# Altium PCB cat.PcbDoc (part 1 of 3)
Units mm, origin at the board's own origin, x right, y up, seen from the top; angles counter-clockwise.
Board outline 65 x 116 mm, 4 copper layers (Top Layer, Layer 2, Layer 3, Bottom Layer), stack 1.518 mm thick; 277 components, 139 nets, 821 pads, 589 vias.
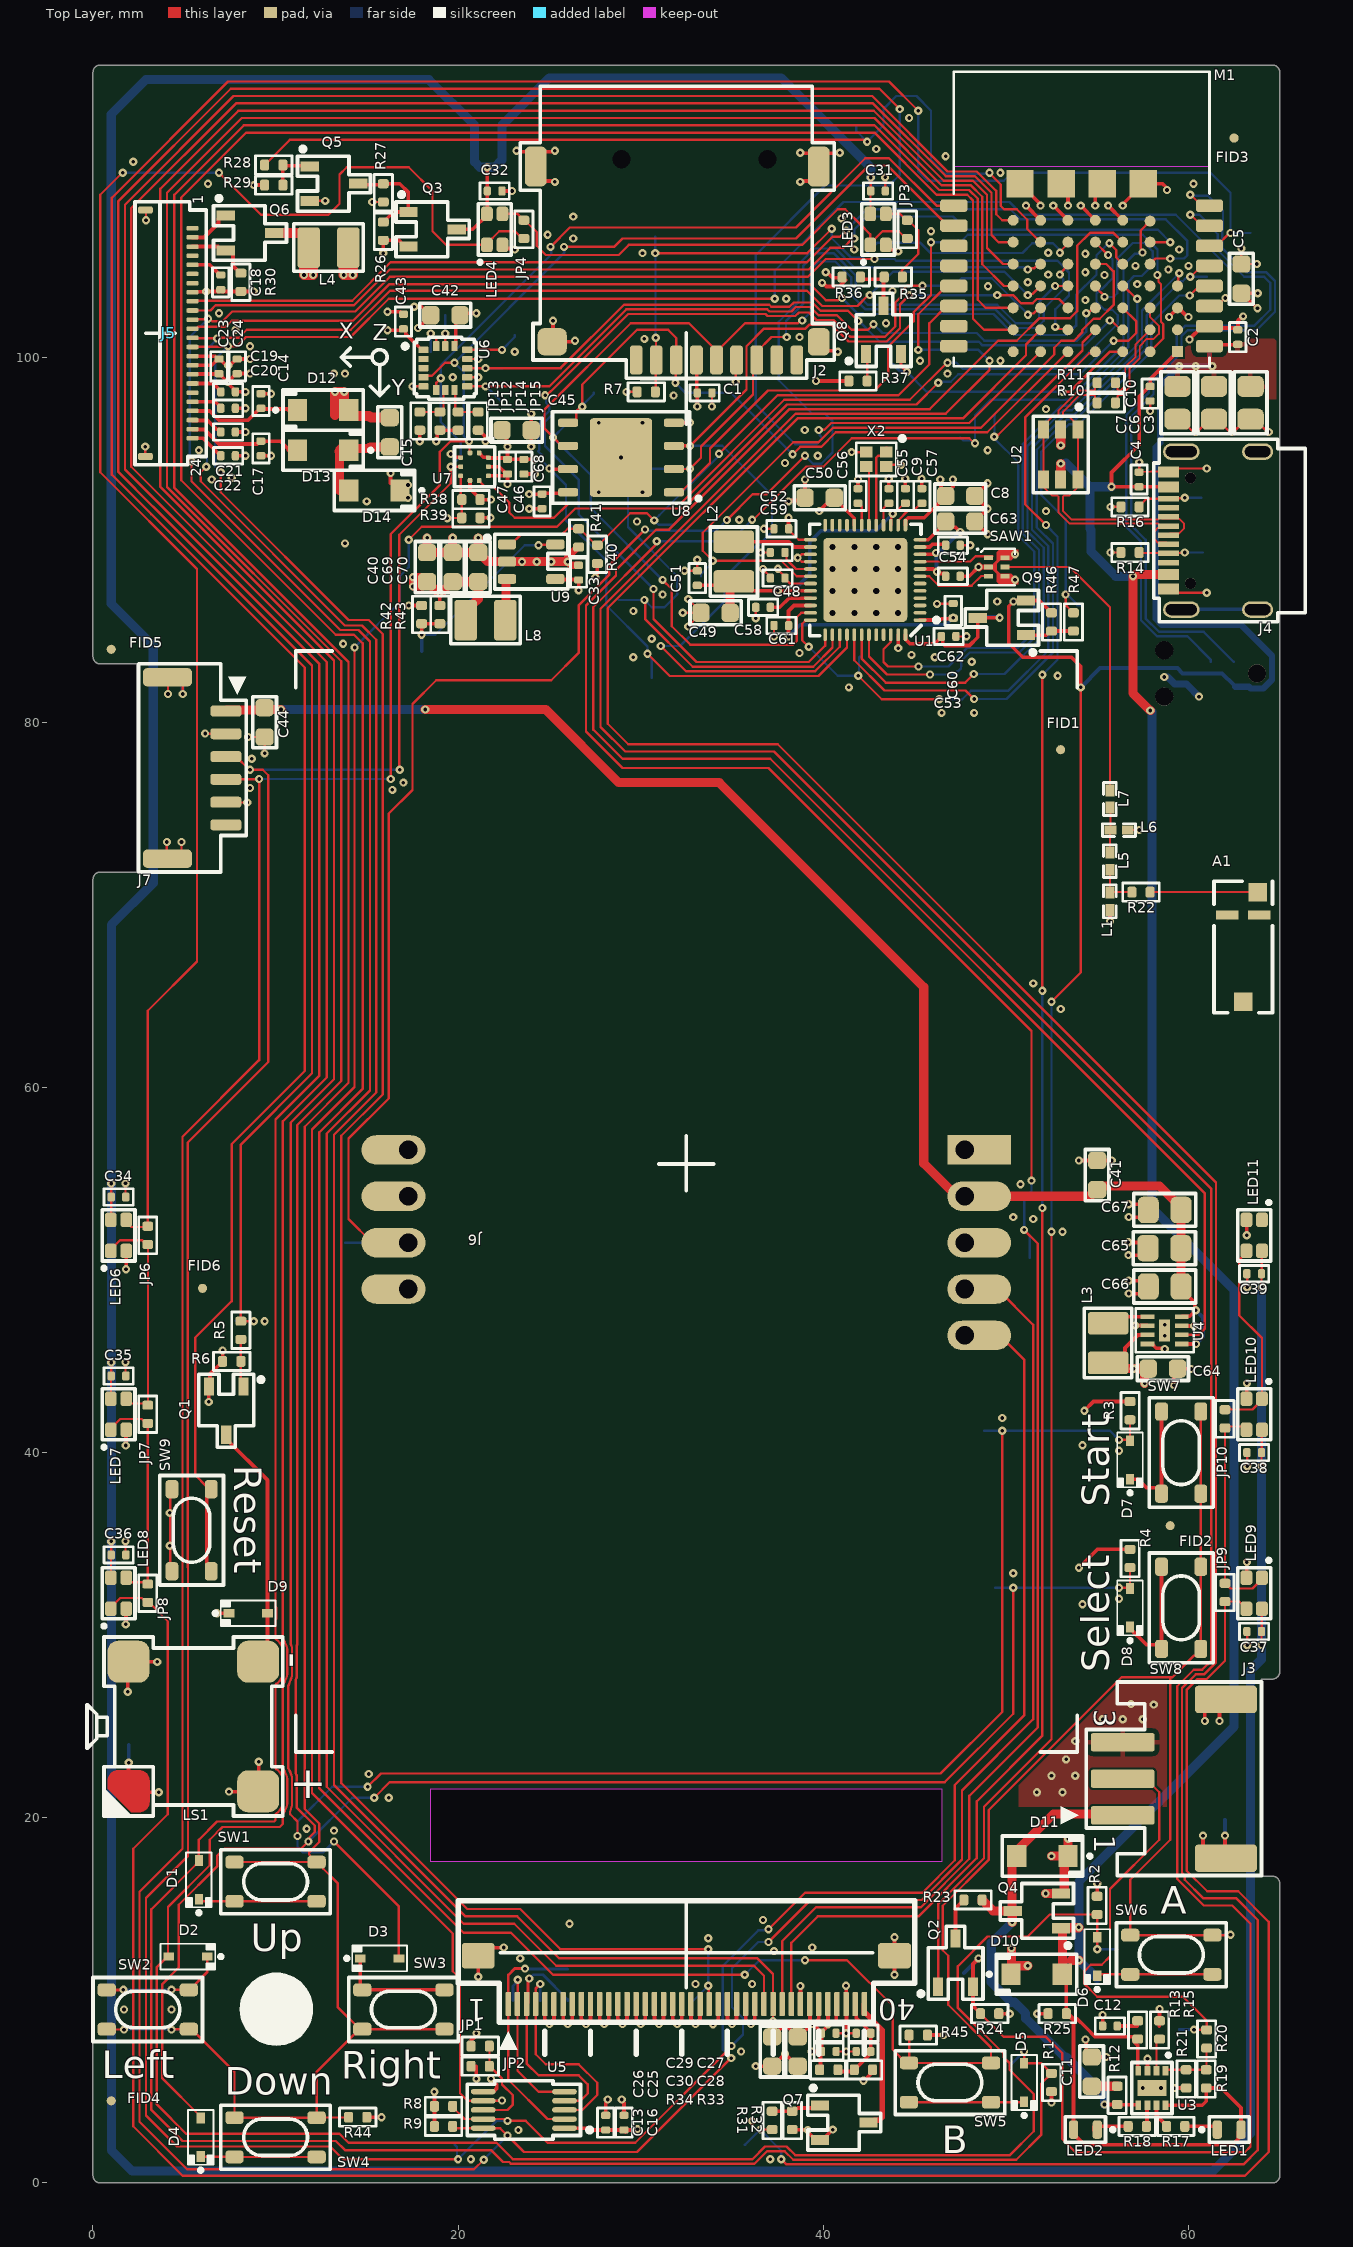
[diagram p0: Top Layer view]
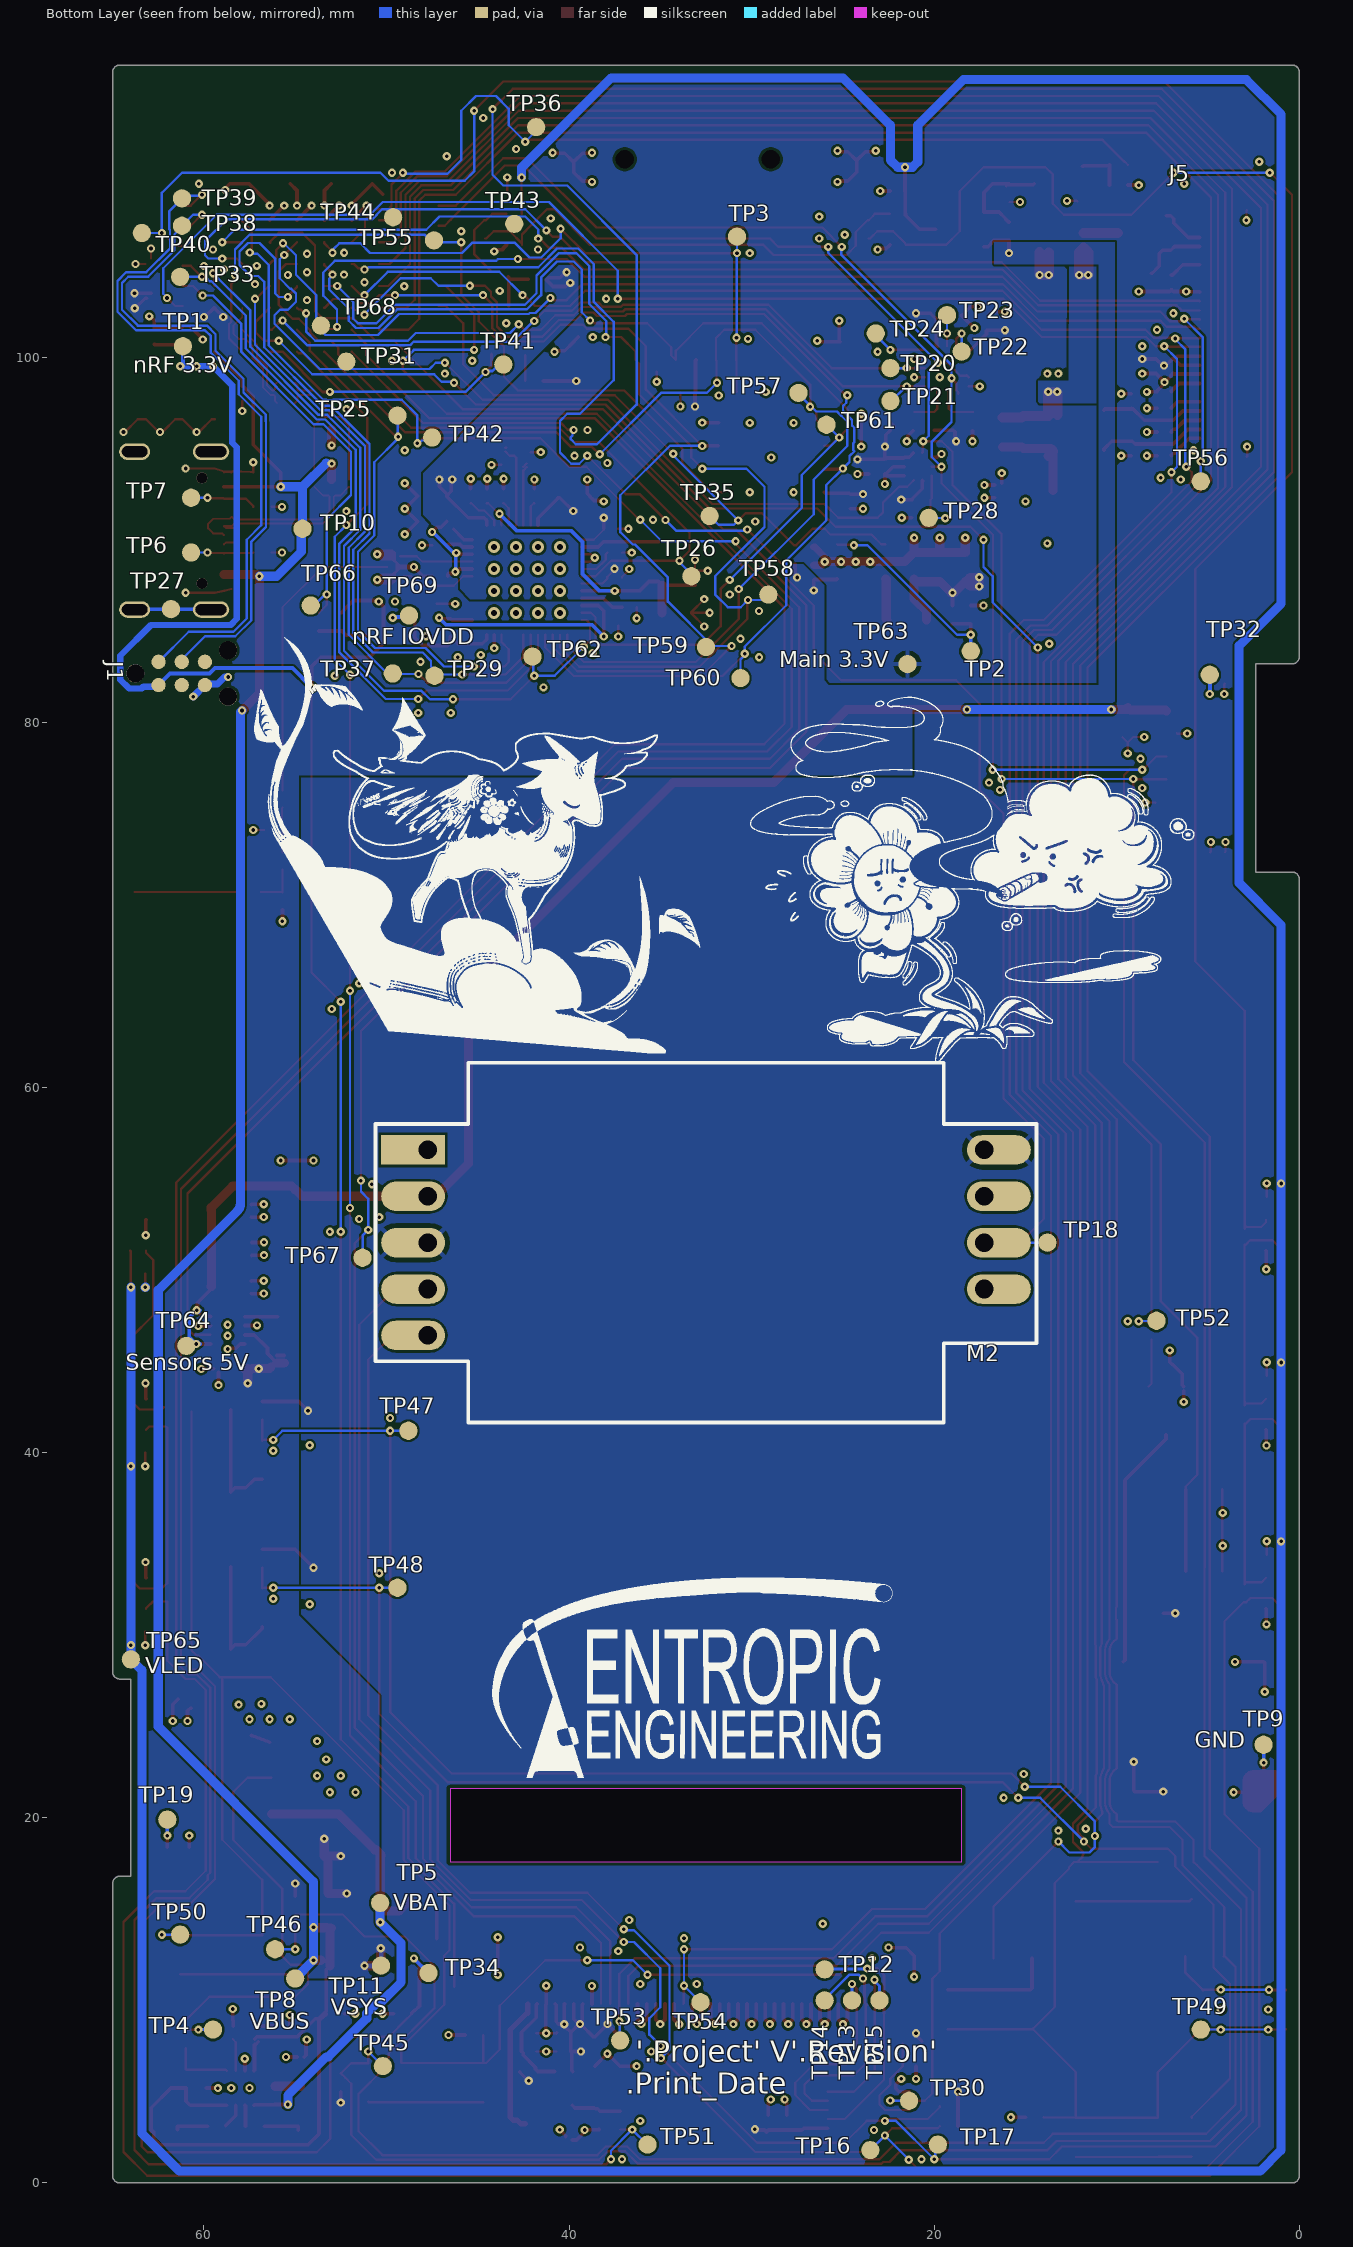
[diagram p1: Bottom Layer view, seen from below]
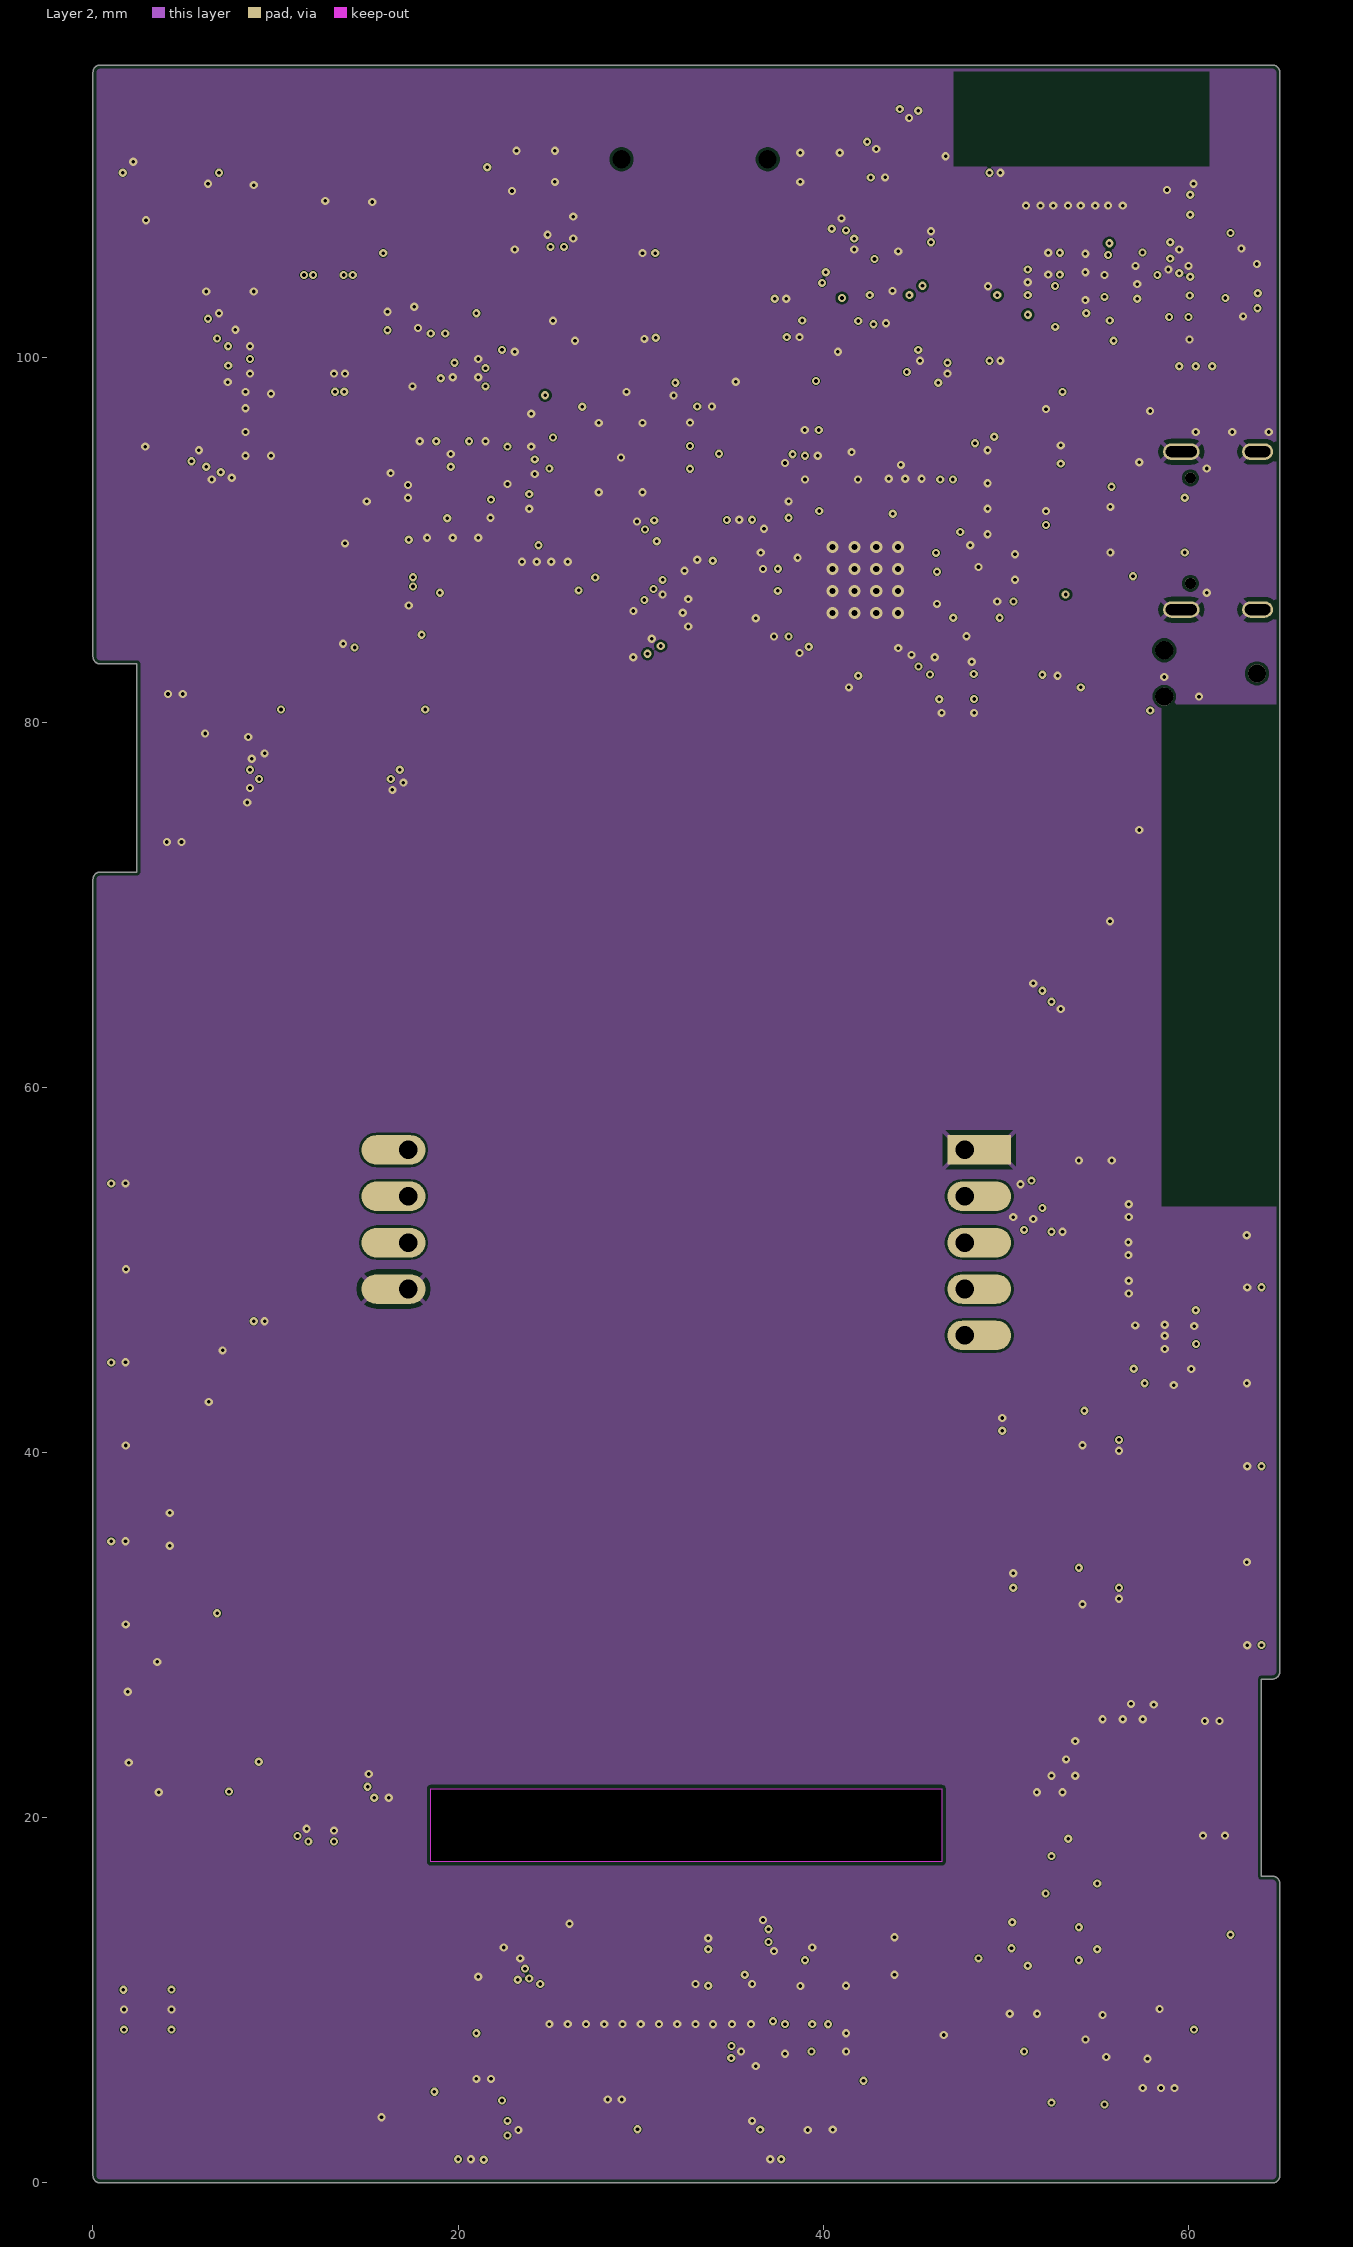
[diagram p2: Layer 2]
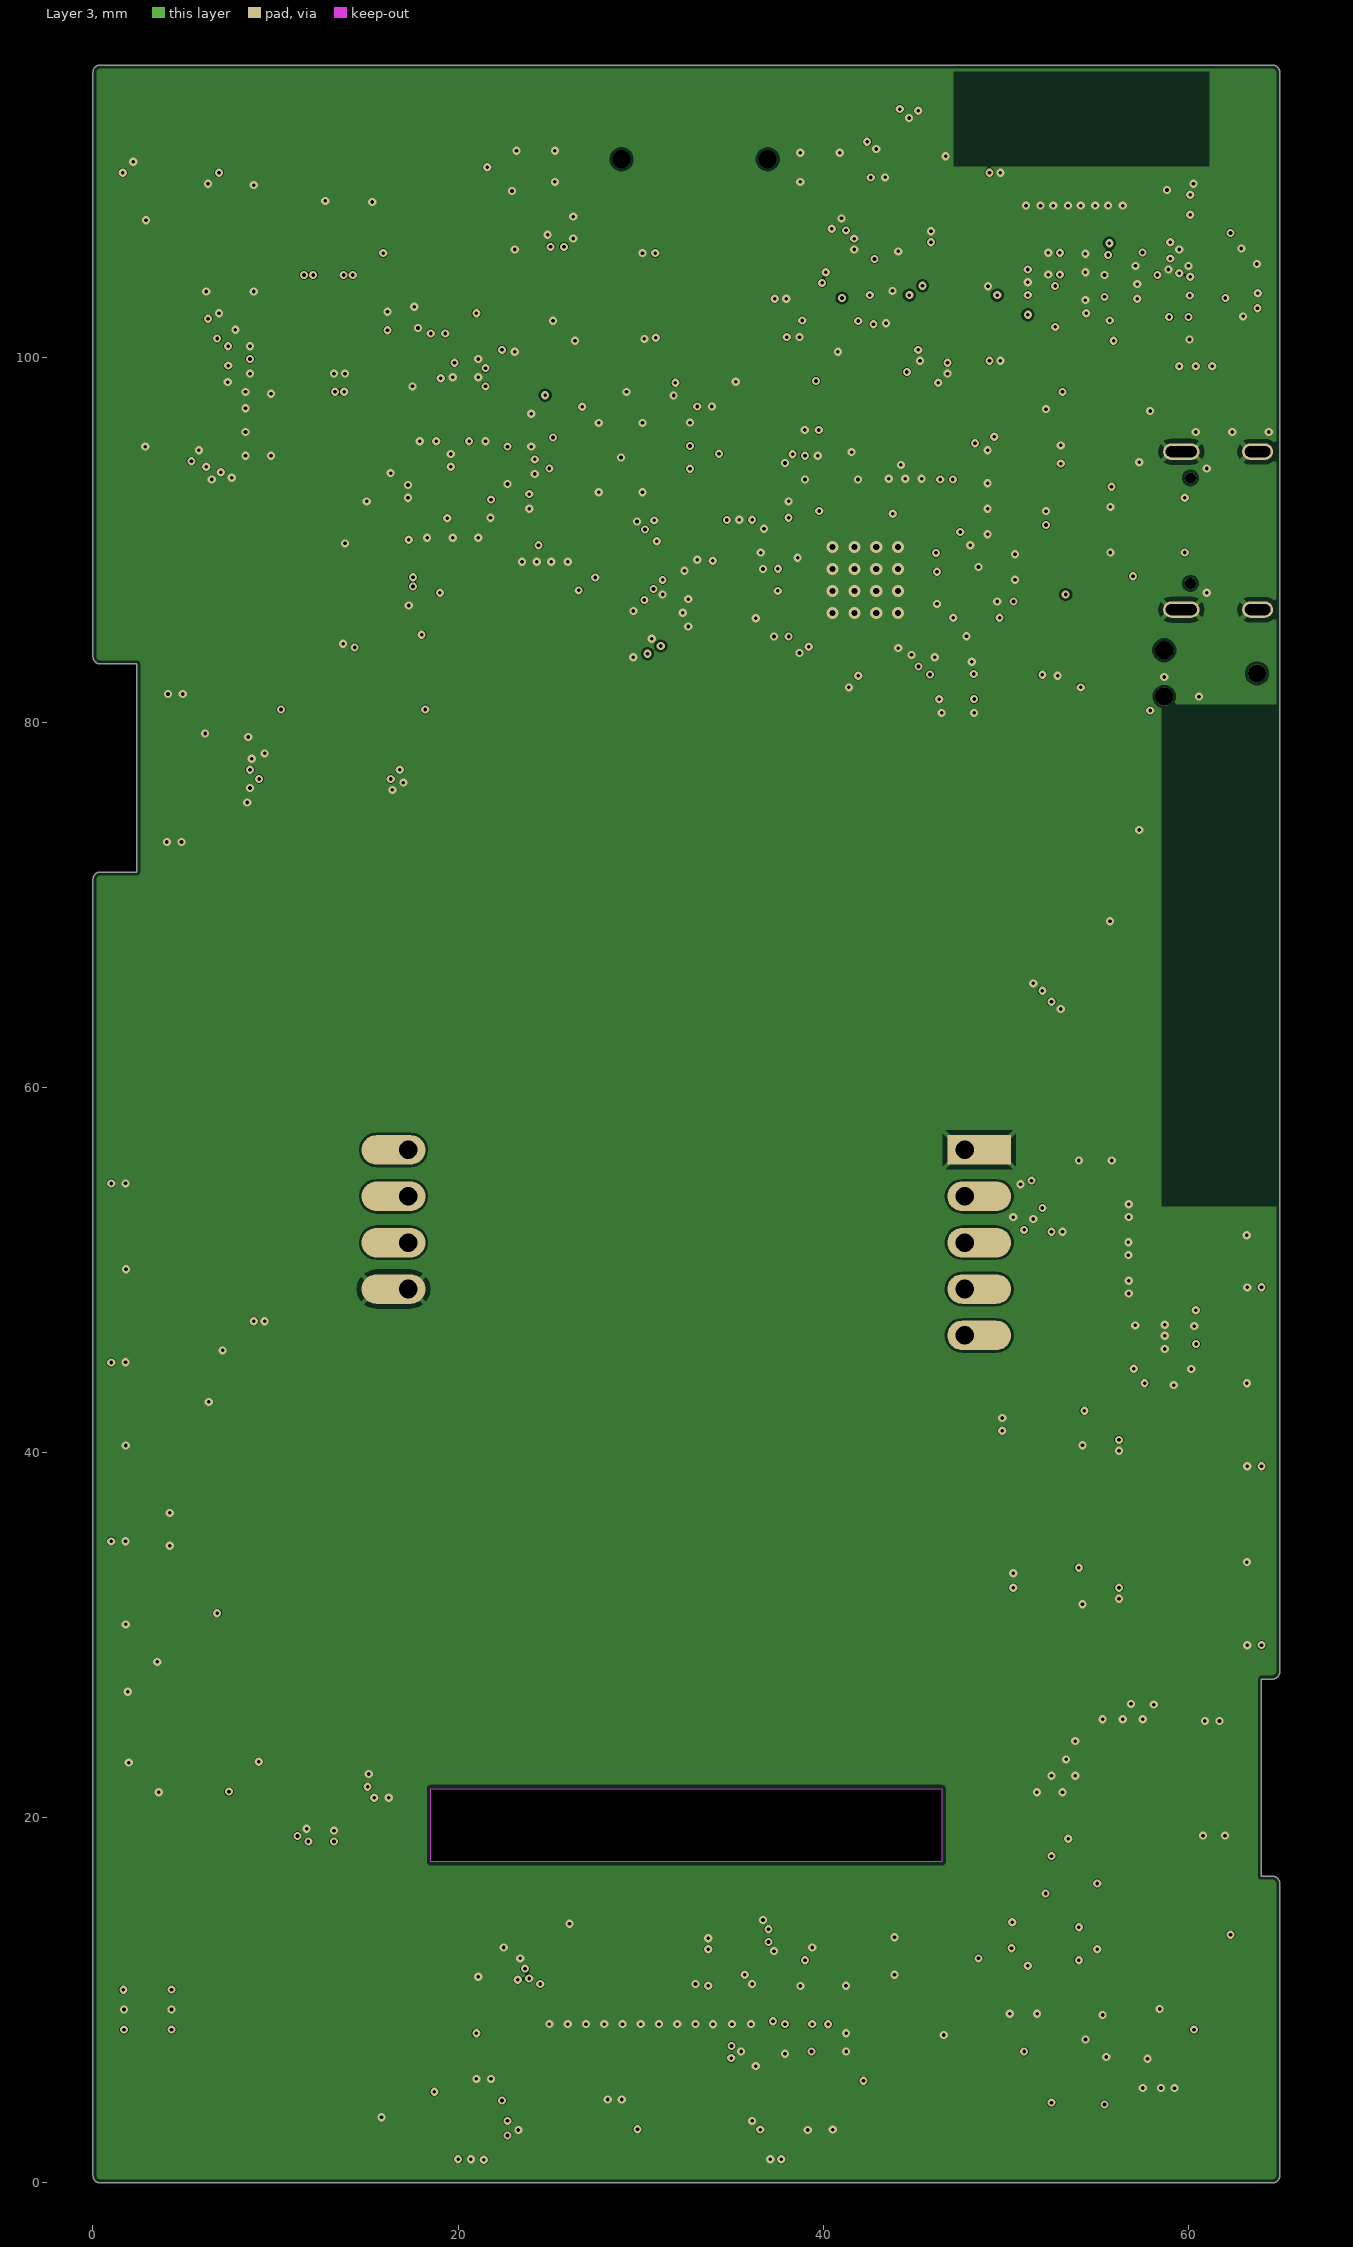
[diagram p3: Layer 3]
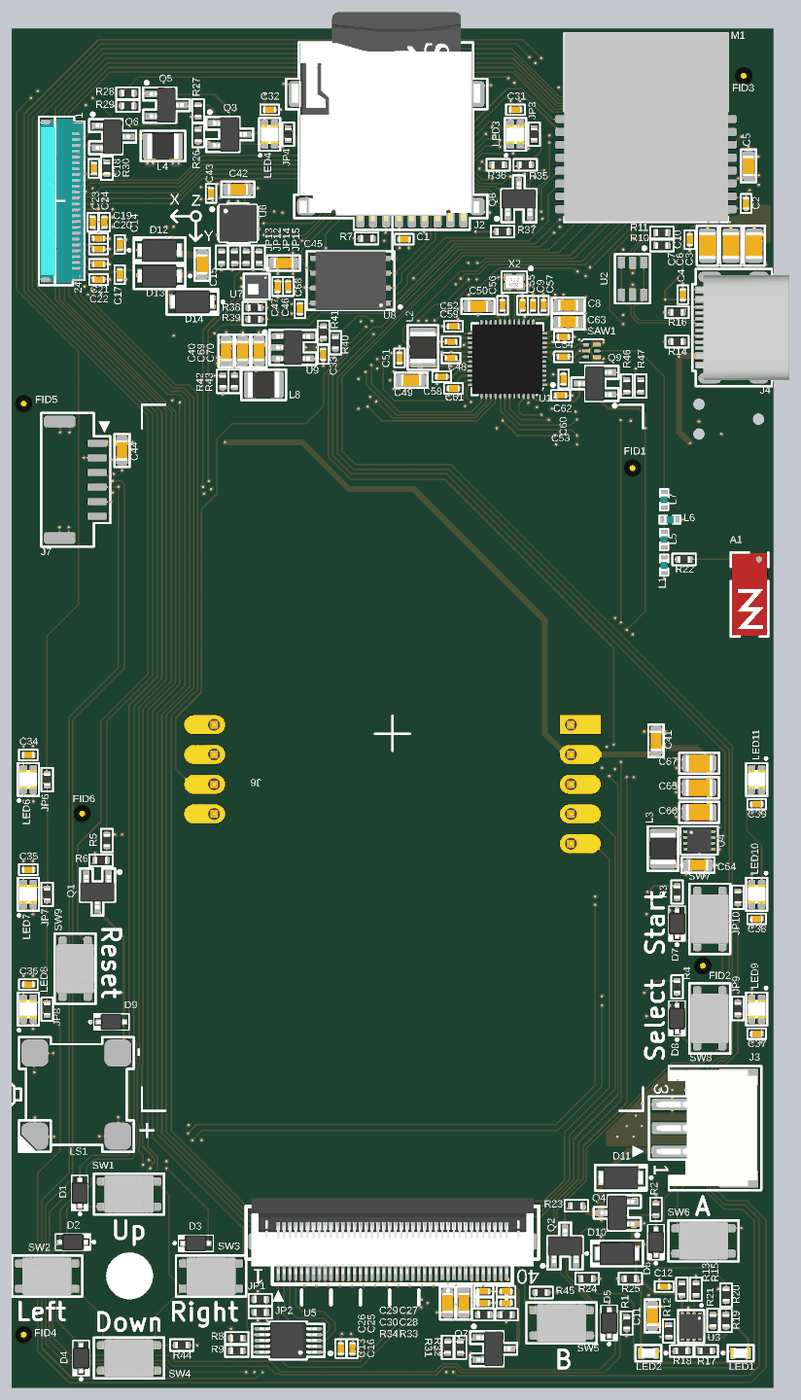
[diagram p6: 3D render of the assembled board from above, using the file's embedded part models]

## Layer stack, top to bottom
Top Solder: solder mask 0.0254, Solder Resist, Dk 3.8
Top Layer: signal copper 0.035
Dielectric 2: prepreg 0.0764, PP-006, Dk 3.91
Layer 2: signal copper 0.0152
Dielectric 1: dielectric 1.265, FR-4, Dk 4.6
Layer 3: signal copper 0.0152
Dielectric 3: prepreg 0.0764, PP-006, Dk 3.91
Bottom Layer: signal copper 0.035
Bottom Solder: solder mask 0.0254, Solder Resist, Dk 3.8

## Board outline
0,0.4 0,71.4 cw(c0.4,71.4) 0.4,71.8 2.4,71.8 2.4,83.2 0.4,83.2 cw(c0.4,83.6) 0,83.6 0,115.6 cw(c0.4,115.6) 0.4,116 64.6,116 cw(c64.6,115.6) 65,115.6 65,28 cw(c64.6,28) 64.6,27.6 64,27.6 64,16.8 64.6,16.8 cw(c64.6,16.4) 65,16.4 65,0.4 cw(c64.6,0.4) 64.6,0 0.4,0 cw(c0.4,0.4)

## Design rules (kind name [scope] priority, off if disabled: settings)
BoardOutlineClearance ignore_silkscreen [OnLayer('Top Overlay') OR OnLayer('Bottom Overlay')] p1: gap=0 ignorepadtopadclearanceinfootprint=FALSE
BoardOutlineClearance [All] p2: gap=0.2 ignorepadtopadclearanceinfootprint=FALSE
Clearance HV_clearance [InNetClass('HV')] p1: gap=0.1 ignorepadtopadclearanceinfootprint=TRUE except(0.5: Arc-Arc Arc-Track Arc-SMDPad Arc-THPad Arc-Via Arc-Fill Arc-Poly Arc-Region Arc-Text Arc-Hole Track-Track Track-SMDPad Track-THPad Track-Via Track-Fill Track-Poly Track-Region Track-Text Track-Hole; 1.2: SMDPad-SMDPad SMDPad-THPad THPad-THPad)
Clearance rf_nonsense_3 [HasFootprint('ANTENNA_FILTER')       OR HasFootprint('ANTENNA')] p2: gap=0 ignorepadtopadclearanceinfootprint=FALSE
Clearance 5v_polygon_clearance [(InNet('+5V') AND InPolygon)] p3: gap=0.254 ignorepadtopadclearanceinfootprint=FALSE
Clearance fiducial [HasFootprint('fiducial-0.5')] p4: gap=0.5 ignorepadtopadclearanceinfootprint=FALSE
Clearance outer_layer_clearance [OnLayer('Bottom Layer')   OR OnLayer('Top Layer')] p5: gap=0.127 ignorepadtopadclearanceinfootprint=TRUE except(0.152: Arc-THPad Arc-Via Arc-Text Arc-Hole Track-THPad Track-Via Track-Text Track-Hole SMDPad-SMDPad SMDPad-THPad SMDPad-Via SMDPad-Text SMDPad-Hole THPad-Text Via-Text Fill-Text Fill-Hole Poly-Text Poly-Hole Region-Text Region-Hole Text-Text Text-Hole; 0.231: Via-Hole; 0.356: THPad-THPad THPad-Via THPad-Hole)
Clearance inner_layer_clearance [All] p6: gap=0.152 ignorepadtopadclearanceinfootprint=TRUE except(0.102: Arc-Arc Arc-Track Track-Track; 0.127: Arc-Fill Arc-Poly Arc-Region Track-Fill Track-Poly Track-Region SMDPad-Fill SMDPad-Poly SMDPad-Region THPad-Fill THPad-Poly THPad-Region Via-Via Via-Fill Via-Poly Via-Region Fill-Fill Fill-Poly Fill-Region Poly-Poly Poly-Region Region-Region; 0.231: Via-Hole; 0.356: THPad-THPad THPad-Via THPad-Hole)
ComponentClearance fiducial_clearance [HasFootprint('FIDUCIAL')] p1: gap=0 collisioncheckmode=3 verticalgap=0 showdistances=FALSE
ComponentClearance [All] p2: gap=0.17 collisioncheckmode=3 verticalgap=0.254 showdistances=FALSE
DiffPairsRouting [All] p1: maxlimit=0.127 minlimit=0.127 mostfreqgap=0.127 toplayer_minwidth=0.105 toplayer_maxwidth=0.105 toplayer_prefwidth=0.105 midlayer1_minwidth=0.093 midlayer1_maxwidth=0.093 midlayer1_prefwidth=0.093 midlayer2_minwidth=0.093 midlayer2_maxwidth=0.093 midlayer2_prefwidth=0.093 bottomlayer_minwidth=0.105 bottomlayer_maxwidth=0.105 bottomlayer_prefwidth=0.105 impedanceprofiledriven=TRUE impedanceprofileid={DAE47B77-B9C6-40A8-8105-E02AD20DBAE9} impedanceprofilevalue=90.000000 maxuncoupledlength=12.7
HoleSize [All] p1: absolutevalues=TRUE maxlimit=1288.839 minlimit=0.2 maxpercent=80.000 minpercent=20.000
HoleToHoleClearance via-to-via_clearance [IsVia] p1: gap=0.2 allowstackedmicrovias=TRUE
HoleToHoleClearance [All] p2: gap=0.35 allowstackedmicrovias=TRUE
MinimumAnnularRing wurth_usb-c [HasFootprint('632723300011')] p1: minimumring=0.125
MinimumAnnularRing via_annular_ring [IsVia] p2: minimumring=0.1
MinimumAnnularRing annular_ring [All] p3: minimumring=0.13
MinimumSolderMaskSliver [All] p1: minsoldermaskwidth=0
NetAntennae rf_nonsense2 [InNet('GPIO69')] p1: netantennaetolerance=5
NetAntennae [All] p2: netantennaetolerance=0
PlaneConnect [All] p1: pad.planeconnectstyle=Relief pad.reliefexpansion=0.508 pad.reliefentries=4 pad.reliefconductorwidth=0.254 pad.reliefairgap=0.254 via.planeconnectstyle=Direct via.reliefexpansion=0.508 via.reliefentries=4 via.reliefconductorwidth=0.254 via.reliefairgap=0.254
PolygonConnect art_polygons [OnLayer('Art Purple')        or OnLayer('Art Pink')] p1: connectstyle=Direct reliefconductorwidth=0.254 reliefentries=4 polygonreliefangle="90 Angle" airgapwidth=0.254
PolygonConnect antenna [HasFootprint('ANTENNA')] p2: connectstyle=Direct reliefconductorwidth=0.254 reliefentries=4 polygonreliefangle="90 Angle" airgapwidth=0.254
PolygonConnect trinamic [InPadClass('thermal_pad')] p3: connectstyle=Direct reliefconductorwidth=0.254 reliefentries=4 polygonreliefangle="90 Angle" airgapwidth=0.254
PolygonConnect mounting_holes [HasFootprint('m3_hole')] p4: connectstyle=Direct reliefconductorwidth=0.254 reliefentries=4 polygonreliefangle="90 Angle" airgapwidth=0.254
PolygonConnect 5v_polygons [InNet('+5V')] p5: thpad.connectstyle=Relief thpad.reliefconductorwidth=0.508 thpad.reliefentries=4 thpad.polygonreliefangle="45 Angle" thpad.airgapwidth=0.254 smdpad.connectstyle=Relief smdpad.reliefconductorwidth=0.508 smdpad.reliefentries=4 smdpad.polygonreliefangle="90 Angle" smdpad.airgapwidth=0.254 via.connectstyle=Direct via.reliefconductorwidth=0.254 via.reliefentries=4 via.polygonreliefangle="90 Angle" via.airgapwidth=0.254
PolygonConnect [All] p6: thpad.connectstyle=Relief thpad.reliefconductorwidth=0.254 thpad.reliefentries=4 thpad.polygonreliefangle="45 Angle" thpad.airgapwidth=0.254 smdpad.connectstyle=Relief smdpad.reliefconductorwidth=0.254 smdpad.reliefentries=4 smdpad.polygonreliefangle="90 Angle" smdpad.airgapwidth=0.254 via.connectstyle=Direct via.reliefconductorwidth=0.254 via.reliefentries=4 via.polygonreliefangle="90 Angle" via.airgapwidth=0.254
RoutingVias [All] p1: holewidth=0.2 width=0.45 viastyle="Through Hole" minholewidth=0.2 minwidth=0.45 maxholewidth=0.3 maxwidth=3
ShortCircuit rf_nonsense [InNet('Net*_MAGIC_IN')] p1: allowed=TRUE
ShortCircuit [All] p2: allowed=FALSE
SilkToSilkClearance [All] p1: silktosilkclearance=0
SilkToSolderMaskClearance [IsPad] p1: minsilkscreentomaskgap=0 clearancetoexposedcopper=TRUE
SolderMaskExpansion SolderMask_ViaTent [IsVia] p1: expansion=0.102 istentingtop=TRUE
SolderMaskExpansion [All] p2: expansion=0.05 istentingtop=FALSE
Width 50Z [InNetClass('RF')] p1: maxlimit=0.119 minlimit=0.104 preferedwidth=0.119 toplayer_minwidth=0.119 midlayer1_maxwidth=0.104 midlayer1_prefwidth=0.104 midlayer2_maxwidth=0.104 midlayer2_prefwidth=0.104 bottomlayer_minwidth=0.119 impedanceprofiledriven=TRUE impedanceprofileid={4F6D7264-9E3B-4977-9862-53ED1651440D} impedanceprofilevalue=50.000000 minimp=50.000000 maximp=50.000000 favimp=50.000000
Width Width_1 [All] p2: maxlimit=3 minlimit=0.102 preferedwidth=0.127
20 further rules are at their usual default settings.

## Classes and differential pairs
net class RF: ANTWIFI NetL1_2 NetL5_2 NetL7_2 NetSAW1_1 NetSAW1_3
component class sensors: C41 C42 C43 C44 C45 C46 C47 J7 JP12 JP13 JP14 JP15 M2 R38 R39 TP18 TP19 TP20 TP21 TP22 TP23 TP24 TP27 TP28 TP31 TP32 U6 U7
component class blinkenlights: C31 C32 C34 C35 C36 C37 C38 C39 JP3 JP4 JP6 JP7 JP8 JP9 JP10 LED3 LED4 LED6 LED7 LED8 LED9 LED10 LED11 Q8 R35 R36 R37 s
component class display: a C13 C14 C15 C16 C17 C18 C19 C20 C21 C22 C23 C24 C25 C26 C27 C28 C29 C30 D12 D13 D14 J5 J6 JP1 JP2 L4 Q6 Q7 R30 R31 R32 R33 R34 TP12 TP13 TP14 TP15 TP16 TP17 U5
differential pair class USB_DIFF: USB0 USB1
net class 90_OHM: USB0_D+ USB0_D- USB1_D+ USB1_D-
component class power: C10 C11 C12 C33 C40 C64 C65 C66 C67 C69 C70 D10 D11 J3 J4 L3 L8 LED1 LED2 Q2 Q3 Q4 Q5 R12 R13 R14 R15 R16 R17 R18 R19 R20 R21 R23 R24 R25 R26 R27 R28 R29 R40 R41 R42 R43 TP2 TP4 TP5 TP6 TP7 TP8 TP9 TP10 TP11 TP63 TP64 TP65 U2 U3 U4 U9
component class microcontroller: A1 C1 C2 C3 C4 C5 C6 C7 C8 C9 C48 C49 C50 C51 C52 C53 C54 C55 C56 C57 C58 C59 C60 C61 C62 C63 C68 FID1 FID2 FID3 FID4 FID5 FID6 J1 J2 L1 L2 L5 L6 L7 M1 Q9 R7 R8 R9 R10 R11 R22 R46 R47 SAW1 TP1 TP3 TP25 TP26 TP29 TP30 TP33 TP34 TP35 TP36 TP37 TP38 TP39 TP40 TP41 TP42 TP43 TP44 TP45 TP46 TP47 TP48 TP49 TP50 TP51 TP52 TP53 TP54 TP55 TP56 TP57 TP58 TP59 TP60 TP61 TP62 TP66 TP67 TP68 TP69 U1 U8 X2
component class user_interface: D1 D2 D3 D4 D5 D6 D7 D8 D9 LS1 Q1 R1 R2 R3 R4 R5 R6 R44 R45 SW1 SW2 SW3 SW4 SW5 SW6 SW7 SW8 SW9
differential pair USB1: +USB1_D+ -USB1_D-
differential pair USB0: +USB0_D+ -USB0_D-
